# Altium PCB higgs.PcbDoc (part 25 of 25) (continued)
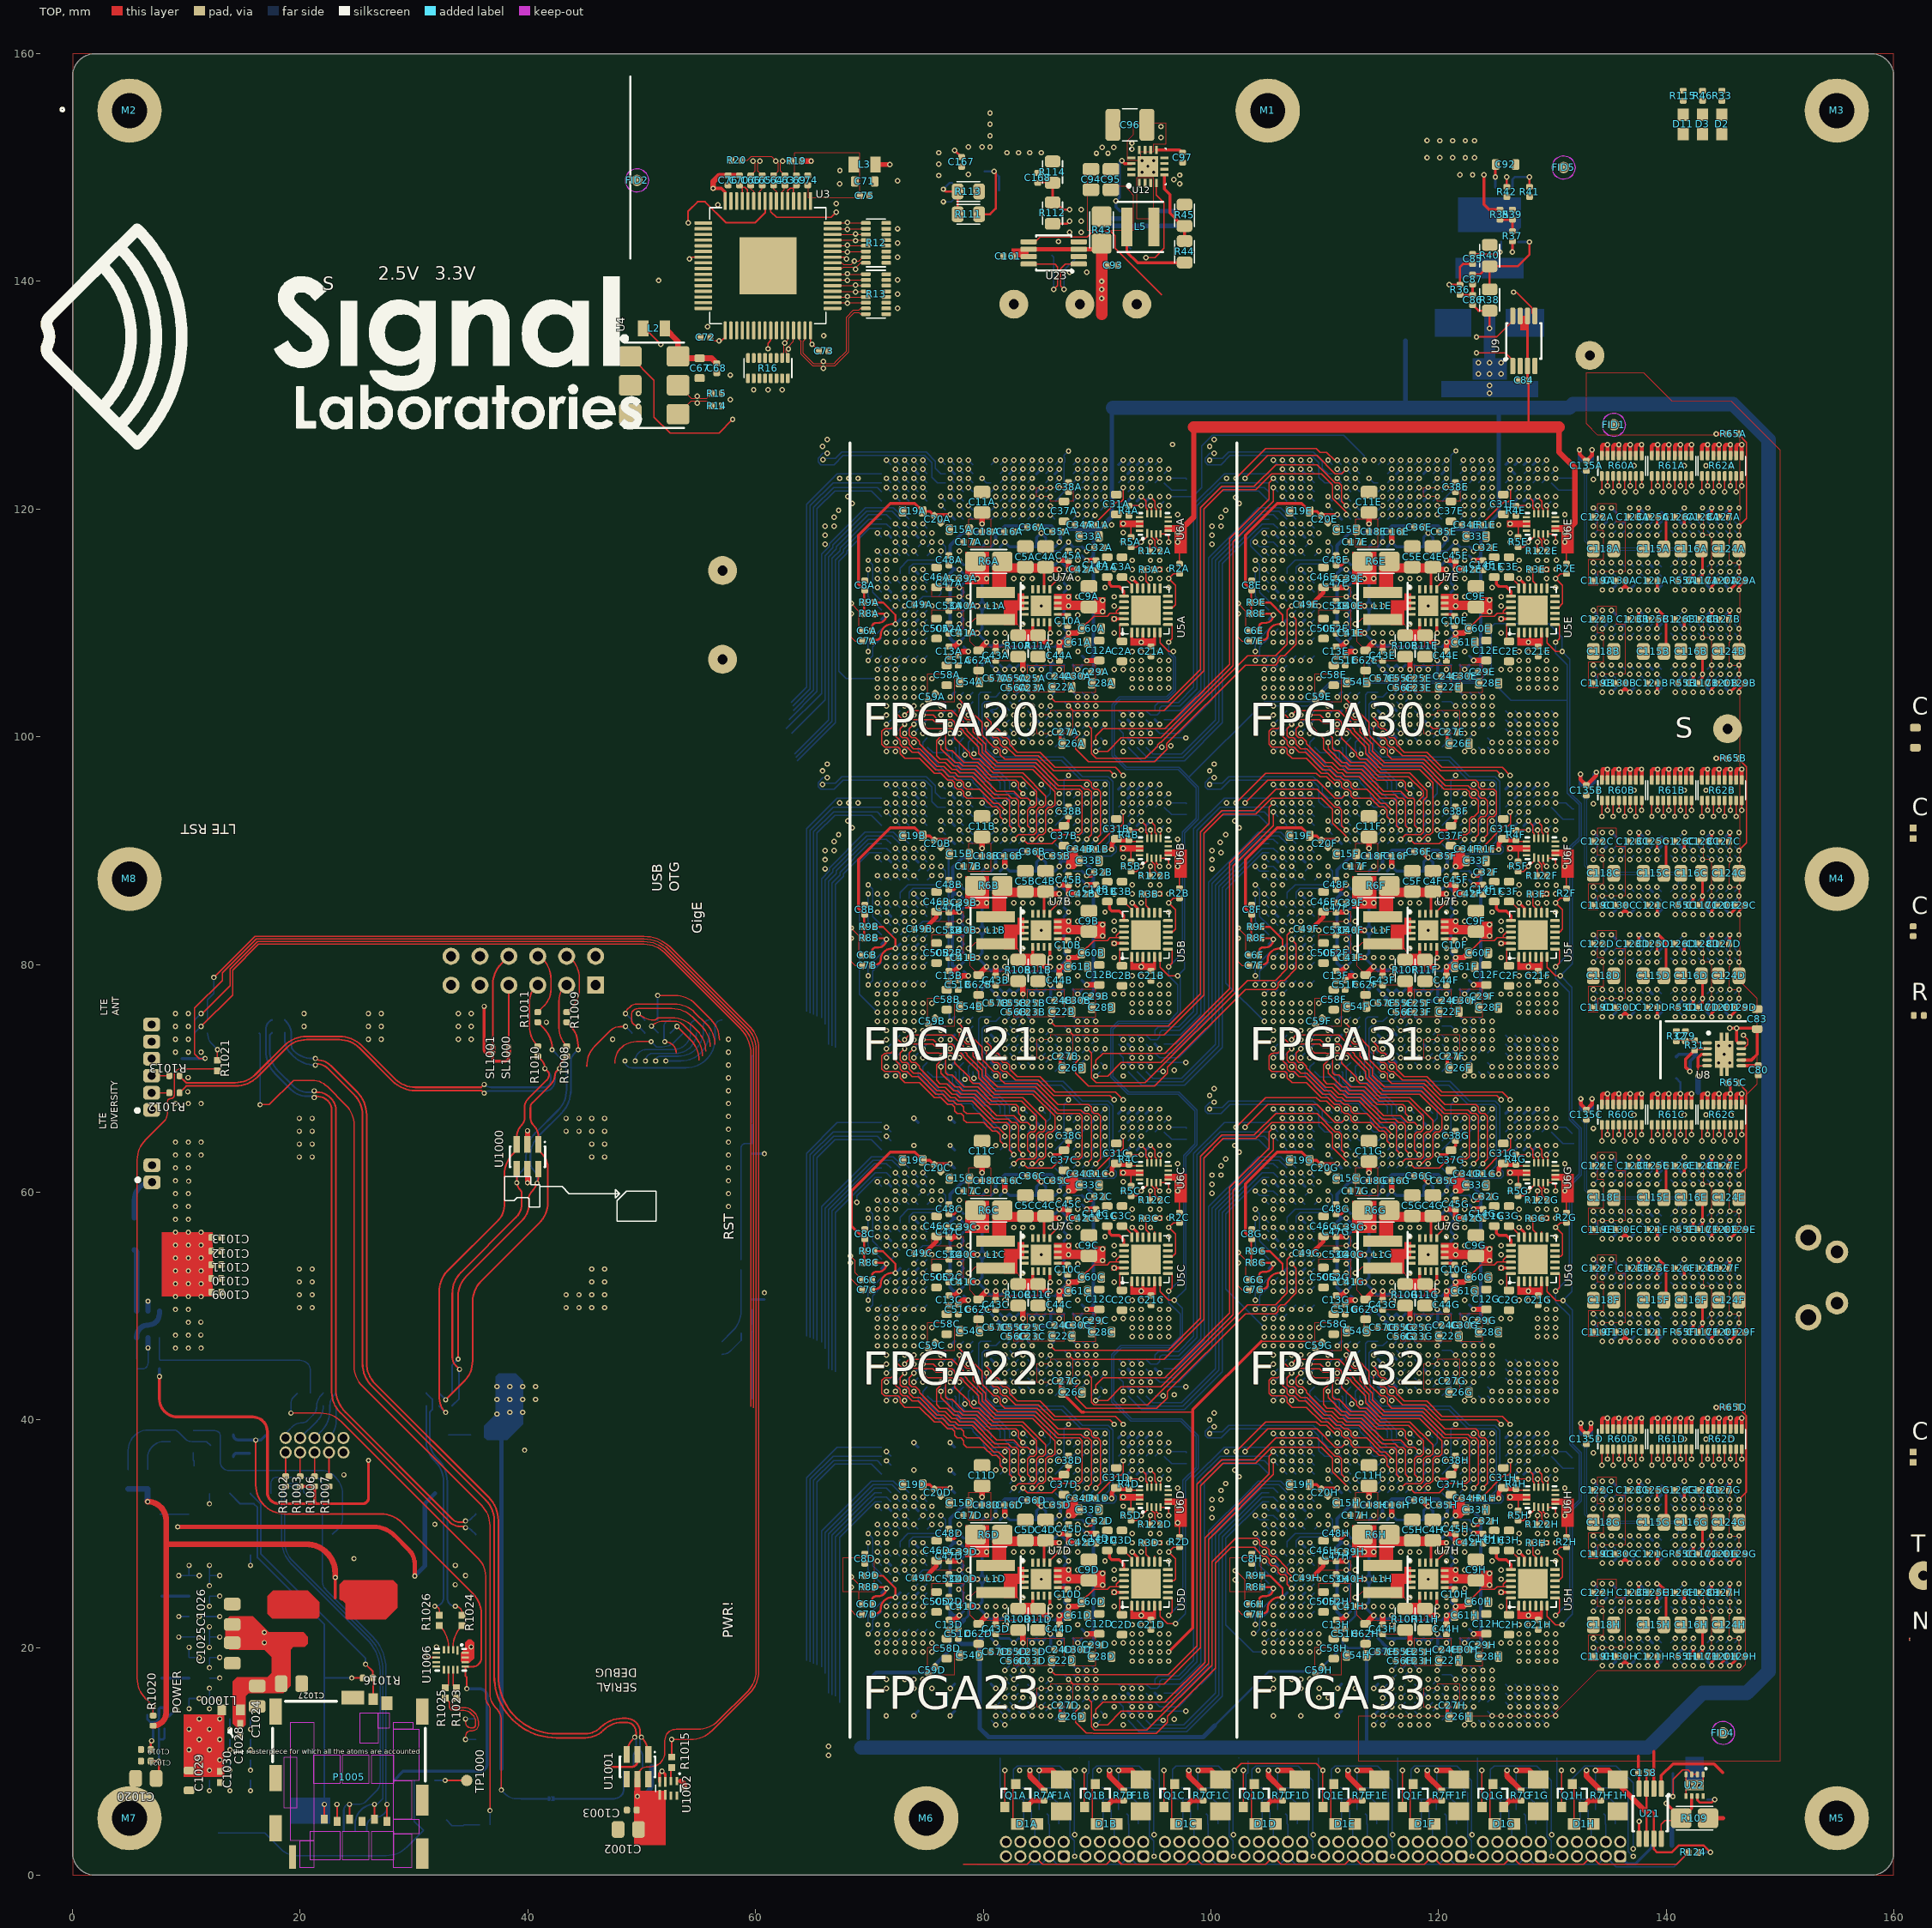
[diagram p0: TOP view]
## Keep-outs
S3(V12/V2V5):
  the board outline again, w0.584
S1(V):
  the board outline again, w0.584
S2(H):
  the board outline again, w0.584
S4(VDDR):
  lines w0.584: 0,2 ccw(c2,2) 2,0 158,0 ccw(c158,2) 160,2 160,158 ccw(c158,158) 158,160 2,160 ccw(c2,158) 0,158
S5(V):
  the board outline again, w0.584
S6(H):
  the board outline again, w0.584
P1(GND):
  the board outline again, w0.584
P3(GND):
  the board outline again, w0.584
P4(GND):
  the board outline again, w0.584
P6(GND):
  the board outline again, w0.584
P2(GND):
  the board outline again, w0.584
P5(GND):
  the board outline again, w0.584

## Other copper
TOP:
  region net V3V3_CELL: 9.743,14.119 9.743,8.619 13.329,8.619 13.329,14.119
  region net XUSB3_VBUS: 49.329,7.419 49.329,2.619 52.129,2.619 52.129,7.419
  region net V5: 7.829,56.474 7.829,50.824 12.329,50.824 12.329,56.474
  rectangle net V3V3: 127.175,135.7 127.825,136.965
  rectangle net V3V3: 82.5,142.1 84,142.9
  rectangle net NetL1E_1: 117,111.1 117.6,112.6
  rectangle net FBE: 118.225,109.15 118.475,110.05
  rectangle net NetC10E_1: 120.55,110.625 121.425,110.875
  region net SNSE_P: 125.742,110.592 125.258,110.592 125.258,110.109 125.742,110.109
  region net FBE: 129.742,114.459 129.742,114.942 129.1,114.942 129.1,114.459
  rectangle net SNSE_P: 114.8,113.1 116.025,114.9
  rectangle net GND: 119.725,108.85 119.975,109.7
  rectangle net SNSE_P: 119.225,112.95 119.475,114.725
  rectangle net V3V3: 126.92,108.375 127.18,109.165
  rectangle net V3V3: 127.92,108 128.18,109.165
  rectangle net V3V3: 128.92,108 129.18,109.165
  rectangle net V3V3: 130.8,116.1 131.9,118.005
  rectangle net V12: 120.2,111.125 121.75,112.55
  rectangle net V3V3: 126.92,108 129.18,108.625
  region net SNSE_P: 126.365,110.48 125.259,110.48 125.259,110.22 126.365,110.22
  region net V3V3: 128.1,118.995 126,118.995 126,118.405 128.1,118.405
  region net SNSE_N: 114.542,113.4 114.542,116.25 112.4,116.25 112.4,113.4
  rectangle net FBE: 116.725,108.4 119.275,109.425
  rectangle net SNSE_P: 116,114.4 119.9,115.25
  rectangle net V12: 123.75,110.75 124.75,112.25
  rectangle net NetL1E_1: 115.8,109.825 117,112
  rectangle net V12: 121.75,111.125 124.75,111.95
  rectangle net V3V3: 129.95,118.005 131.9,118.595
  rectangle net V3V3: 129.95,89.505 131.9,90.095
  rectangle net V3V3: 130.8,87.6 131.9,89.505
  rectangle net V3V3: 129.95,61.005 131.9,61.595
  rectangle net V3V3: 130.8,59.1 131.9,61.005
  rectangle net V3V3: 129.95,32.505 131.9,33.095
  rectangle net V3V3: 130.8,30.6 131.9,32.505
  region net FBH: 129.742,28.959 129.742,29.442 129.1,29.442 129.1,28.959
  region net FBG: 129.742,57.459 129.742,57.942 129.1,57.942 129.1,57.459
  region net FBF: 129.742,85.959 129.742,86.442 129.1,86.442 129.1,85.959
  region net FBA: 95.742,114.459 95.742,114.942 95.1,114.942 95.1,114.459
  region net FBB: 95.742,85.959 95.742,86.442 95.1,86.442 95.1,85.959
  region net FBC: 95.742,57.459 95.742,57.942 95.1,57.942 95.1,57.459
  region net FBD: 95.742,28.959 95.742,29.442 95.1,29.442 95.1,28.959
  rectangle net NetL1A_1: 83,111.1 83.6,112.6
  rectangle net FBA: 84.225,109.15 84.475,110.05
  rectangle net NetC10A_1: 86.55,110.625 87.425,110.875
  rectangle net SNSA_P: 80.8,113.1 82.025,114.9
  rectangle net GND: 85.725,108.85 85.975,109.7
  rectangle net SNSA_P: 85.225,112.95 85.475,114.725
  rectangle net V3V3: 92.92,108.375 93.18,109.165
  rectangle net V3V3: 93.92,108 94.18,109.165
  rectangle net V3V3: 94.92,108 95.18,109.165
  rectangle net V3V3: 96.8,116.1 97.9,118.005
  rectangle net V12: 86.2,111.125 87.75,112.55
  rectangle net V3V3: 92.92,108 95.18,108.625
  region net V3V3: 94.1,118.995 92,118.995 92,118.405 94.1,118.405
  region net SNSA_N: 80.542,113.4 80.542,116.25 78.4,116.25 78.4,113.4
  rectangle net FBA: 82.725,108.4 85.275,109.425
  rectangle net SNSA_P: 82,114.4 85.9,115.25
  rectangle net V12: 89.75,110.75 90.75,112.25
  rectangle net NetL1A_1: 81.8,109.825 83,112
  rectangle net V12: 87.75,111.125 90.75,111.95
  rectangle net V3V3: 95.95,118.005 97.9,118.595
  rectangle net NetL1B_1: 83,82.6 83.6,84.1
  rectangle net FBB: 84.225,80.65 84.475,81.55
  rectangle net NetC10B_1: 86.55,82.125 87.425,82.375
  rectangle net SNSB_P: 80.8,84.6 82.025,86.4
  rectangle net GND: 85.725,80.35 85.975,81.2
  rectangle net SNSB_P: 85.225,84.45 85.475,86.225
  rectangle net V3V3: 92.92,79.875 93.18,80.665
  rectangle net V3V3: 93.92,79.5 94.18,80.665
  rectangle net V3V3: 94.92,79.5 95.18,80.665
  rectangle net V3V3: 96.8,87.6 97.9,89.505
  rectangle net V12: 86.2,82.625 87.75,84.05
  rectangle net V3V3: 92.92,79.5 95.18,80.125
  region net V3V3: 94.1,90.495 92,90.495 92,89.905 94.1,89.905
  region net SNSB_N: 80.542,84.9 80.542,87.75 78.4,87.75 78.4,84.9
  rectangle net FBB: 82.725,79.9 85.275,80.925
  rectangle net SNSB_P: 82,85.9 85.9,86.75
  rectangle net V12: 89.75,82.25 90.75,83.75
  rectangle net NetL1B_1: 81.8,81.325 83,83.5
  rectangle net V12: 87.75,82.625 90.75,83.45
  rectangle net V3V3: 95.95,89.505 97.9,90.095
  rectangle net NetL1C_1: 83,54.1 83.6,55.6
  rectangle net FBC: 84.225,52.15 84.475,53.05
  rectangle net NetC10C_1: 86.55,53.625 87.425,53.875
  rectangle net SNSC_P: 80.8,56.1 82.025,57.9
  rectangle net GND: 85.725,51.85 85.975,52.7
  rectangle net SNSC_P: 85.225,55.95 85.475,57.725
  rectangle net V3V3: 92.92,51.375 93.18,52.165
  rectangle net V3V3: 93.92,51 94.18,52.165
  rectangle net V3V3: 94.92,51 95.18,52.165
  rectangle net V3V3: 96.8,59.1 97.9,61.005
  rectangle net V12: 86.2,54.125 87.75,55.55
  rectangle net V3V3: 92.92,51 95.18,51.625
  region net V3V3: 94.1,61.995 92,61.995 92,61.405 94.1,61.405
  region net SNSC_N: 80.542,56.4 80.542,59.25 78.4,59.25 78.4,56.4
  rectangle net FBC: 82.725,51.4 85.275,52.425
  rectangle net SNSC_P: 82,57.4 85.9,58.25
  rectangle net V12: 89.75,53.75 90.75,55.25
  rectangle net NetL1C_1: 81.8,52.825 83,55
  rectangle net V12: 87.75,54.125 90.75,54.95
  rectangle net V3V3: 95.95,61.005 97.9,61.595
  rectangle net NetL1D_1: 83,25.6 83.6,27.1
  rectangle net FBD: 84.225,23.65 84.475,24.55
  rectangle net NetC10D_1: 86.55,25.125 87.425,25.375
  rectangle net SNSD_P: 80.8,27.6 82.025,29.4
  rectangle net GND: 85.725,23.35 85.975,24.2
  rectangle net SNSD_P: 85.225,27.45 85.475,29.225
  rectangle net V3V3: 92.92,22.875 93.18,23.665
  rectangle net V3V3: 93.92,22.5 94.18,23.665
  rectangle net V3V3: 94.92,22.5 95.18,23.665
  rectangle net V3V3: 96.8,30.6 97.9,32.505
  rectangle net V12: 86.2,25.625 87.75,27.05
  rectangle net V3V3: 92.92,22.5 95.18,23.125
  region net V3V3: 94.1,33.495 92,33.495 92,32.905 94.1,32.905
  region net SNSD_N: 80.542,27.9 80.542,30.75 78.4,30.75 78.4,27.9
  rectangle net FBD: 82.725,22.9 85.275,23.925
  rectangle net SNSD_P: 82,28.9 85.9,29.75
  rectangle net V12: 89.75,25.25 90.75,26.75
  rectangle net NetL1D_1: 81.8,24.325 83,26.5
  rectangle net V12: 87.75,25.625 90.75,26.45
  rectangle net V3V3: 95.95,32.505 97.9,33.095
  rectangle net NetL1H_1: 117,25.6 117.6,27.1
  rectangle net FBH: 118.225,23.65 118.475,24.55
  rectangle net NetC10H_1: 120.55,25.125 121.425,25.375
  rectangle net SNSH_P: 114.8,27.6 116.025,29.4
  rectangle net GND: 119.725,23.35 119.975,24.2
  rectangle net SNSH_P: 119.225,27.45 119.475,29.225
  rectangle net V3V3: 126.92,22.875 127.18,23.665
  rectangle net V3V3: 127.92,22.5 128.18,23.665
  rectangle net V3V3: 128.92,22.5 129.18,23.665
  rectangle net V12: 120.2,25.625 121.75,27.05
  rectangle net V3V3: 126.92,22.5 129.18,23.125
  region net V3V3: 128.1,33.495 126,33.495 126,32.905 128.1,32.905
  region net SNSH_N: 114.542,27.9 114.542,30.75 112.4,30.75 112.4,27.9
  rectangle net FBH: 116.725,22.9 119.275,23.925
  rectangle net SNSH_P: 116,28.9 119.9,29.75
  rectangle net V12: 123.75,25.25 124.75,26.75
  rectangle net NetL1H_1: 115.8,24.325 117,26.5
  rectangle net V12: 121.75,25.625 124.75,26.45
  rectangle net NetL1G_1: 117,54.1 117.6,55.6
  rectangle net FBG: 118.225,52.15 118.475,53.05
  rectangle net NetC10G_1: 120.55,53.625 121.425,53.875
  rectangle net SNSG_P: 114.8,56.1 116.025,57.9
  rectangle net GND: 119.725,51.85 119.975,52.7
  rectangle net SNSG_P: 119.225,55.95 119.475,57.725
  rectangle net V3V3: 126.92,51.375 127.18,52.165
  rectangle net V3V3: 127.92,51 128.18,52.165
  rectangle net V3V3: 128.92,51 129.18,52.165
  rectangle net V12: 120.2,54.125 121.75,55.55
  rectangle net V3V3: 126.92,51 129.18,51.625
  region net V3V3: 128.1,61.995 126,61.995 126,61.405 128.1,61.405
  region net SNSG_N: 114.542,56.4 114.542,59.25 112.4,59.25 112.4,56.4
  rectangle net FBG: 116.725,51.4 119.275,52.425
  rectangle net SNSG_P: 116,57.4 119.9,58.25
  rectangle net V12: 123.75,53.75 124.75,55.25
  rectangle net NetL1G_1: 115.8,52.825 117,55
  rectangle net V12: 121.75,54.125 124.75,54.95
  rectangle net NetL1F_1: 117,82.6 117.6,84.1
  rectangle net FBF: 118.225,80.65 118.475,81.55
  rectangle net NetC10F_1: 120.55,82.125 121.425,82.375
  rectangle net SNSF_P: 114.8,84.6 116.025,86.4
  rectangle net GND: 119.725,80.35 119.975,81.2
  rectangle net SNSF_P: 119.225,84.45 119.475,86.225
  rectangle net V3V3: 126.92,79.875 127.18,80.665
  rectangle net V3V3: 127.92,79.5 128.18,80.665
  rectangle net V3V3: 128.92,79.5 129.18,80.665
  rectangle net V12: 120.2,82.625 121.75,84.05
  rectangle net V3V3: 126.92,79.5 129.18,80.125
  region net V3V3: 128.1,90.495 126,90.495 126,89.905 128.1,89.905
  region net SNSF_N: 114.542,84.9 114.542,87.75 112.4,87.75 112.4,84.9
  rectangle net FBF: 116.725,79.9 119.275,80.925
  rectangle net SNSF_P: 116,85.9 119.9,86.75
  rectangle net V12: 123.75,82.25 124.75,83.75
  rectangle net NetL1F_1: 115.8,81.325 117,83.5
  rectangle net V12: 121.75,82.625 124.75,83.45
  region net SNSF_P: 126.365,81.98 125.259,81.98 125.259,81.72 126.365,81.72
  region net SNSF_P: 125.742,82.092 125.258,82.092 125.258,81.609 125.742,81.609
  region net SNSG_P: 126.365,53.48 125.259,53.48 125.259,53.22 126.365,53.22
  region net SNSG_P: 125.742,53.592 125.258,53.592 125.258,53.109 125.742,53.109
  region net SNSH_P: 126.365,24.98 125.259,24.98 125.259,24.72 126.365,24.72
  region net SNSH_P: 125.742,25.092 125.258,25.092 125.258,24.609 125.742,24.609
  region net SNSD_P: 92.365,24.98 91.259,24.98 91.259,24.72 92.365,24.72
  region net SNSD_P: 91.742,25.092 91.258,25.092 91.258,24.609 91.742,24.609
  region net SNSC_P: 92.365,53.48 91.259,53.48 91.259,53.22 92.365,53.22
  region net SNSC_P: 91.742,53.592 91.258,53.592 91.258,53.109 91.742,53.109
  region net SNSB_P: 92.365,81.98 91.259,81.98 91.259,81.72 92.365,81.72
  region net SNSB_P: 91.742,82.092 91.258,82.092 91.258,81.609 91.742,81.609
  region net SNSA_P: 92.365,110.48 91.259,110.48 91.259,110.22 92.365,110.22
  region net SNSA_P: 91.742,110.592 91.258,110.592 91.258,110.109 91.742,110.109
  region: 17.617,25.007 20.665,25.007 21.681,23.991 21.681,22.721 21.503,22.543 17.541,22.543 17.109,22.975 17.109,24.499
  region net V3V3: 13.807,22.721 15.839,22.721 17.236,21.324 20.284,21.324 20.665,20.943 20.665,20.308 20.411,20.054 19.395,20.054 19.141,19.8 19.141,16.625 18.506,15.99 15.458,15.99 15.204,15.736 15.204,13.196 14.95,12.942 14.442,12.942 14.061,13.323 14.061,17.006 14.442,17.387 17.109,17.387 17.49,17.768 17.49,19.165 16.855,19.8 13.807,19.8 13.426,20.181 13.426,22.34
  region net V3V3: 35.27,19.038 34.889,18.657 34.254,18.657 34.127,18.784 34.127,19.546 34.508,19.927 34.508,20.435 34.762,20.689 35.016,20.689 35.27,20.435
  region: 28.539,25.515 28.539,23.483 27.523,22.467 24.094,22.467 23.967,22.594 23.967,23.864 23.713,24.118 23.586,24.118 23.459,24.245 23.459,25.515 23.84,25.896 28.158,25.896
BOT:
  region net SIMVCC: 19.129,6.819 19.129,4.519 22.629,4.519 22.629,6.819
  region net V5: 7.829,56.474 7.829,50.824 12.329,50.824 12.329,56.474
  region net GND: 128.75,131.25 120.25,131.25 120.25,129.825 128.75,129.825
  region net V1V35: 126,133.25 123,133.25 123,131.365 126,131.365
  region net NetC86_1: 122.875,137.565 119.7,137.565 119.7,135.129 122.875,135.129
  rectangle net NetC86_1: 125.9,135.129 129.3,137.565
  region net NetC86_1: 125,137.065 124,137.065 124,135.129 125,135.129
  region net V1V35: 125,134.165 124,134.165 124,131.365 125,131.365
  region net NetC85_1: 127.5,142.065 121.5,142.065 121.5,140.265 127.5,140.265
  region net GND: 143.3,7.5 143.3,10.4 141.7,10.4 141.7,7.5
  region net VCC3P3_SYS: 37.175,43.803 37.429,44.057 38.953,44.057 39.588,43.422 39.588,39.612 38.191,38.215 36.413,38.215 36.159,38.469 36.159,39.485 37.175,40.501
P1(GND) (Plane1) (plane layer: these items are gaps in the copper):
  region: 19.884,58.514 19.884,59.784 14.891,59.784 14.891,58.514
P1(GND) (plane layer: these items are gaps in the copper):
  region: 18.72,38.393 18.72,37.123 23.713,37.123 23.713,38.393
  lines w0.508: 0,82.919 59.329,82.919 61.559,82.919 cw(c61.559,81.649) 62.829,81.649 62.829,3.419 62.829,0 ; 19.829,48.819 19.829,62.919 19.829,73.119 45.429,73.119 47.929,75.619 47.929,82.919 ; 19.829,49.419 19.829,29.325 cw(c18.559,29.325) 18.559,28.055 15.331,28.055 ccw(c15.331,27.039) 14.315,27.039 14.315,19.419 ccw(c14.823,19.419) 14.823,18.911 16.347,18.911 ccw(c16.347,19.673) 17.109,19.673 17.109,23.991 cw(c18.379,23.991) 18.379,25.261 21.681,25.261 ; 21.099,25.261 25.959,25.261 cw(c25.959,23.991) 27.229,23.991 27.229,18.911 ; 24.729,38.723 24.729,46.343 cw(c25.999,46.343) 25.999,47.613 32.603,47.613 ; 24.729,39.485 24.729,33.897 ccw(c25.745,33.897) 25.745,32.881 27.523,32.881 ccw(c27.523,33.643) 28.285,33.643 28.285,36.691 cw(c29.301,36.691) 29.301,37.707 37.937,37.707 ccw(c37.937,39.993) 40.223,39.993 40.223,44.819 40.223,46.343 ccw(c38.953,46.343) 38.953,47.613 32.095,47.613 ; 27.229,20.475 27.229,16.319 30.929,12.619 32.929,10.619 62.829,10.619 ; 6.187,8.751 ccw(c6.949,8.751) 6.949,7.989 7.457,7.989 ccw(c7.457,8.751) 8.219,8.751 8.219,28.309 cw(c8.981,28.309) 8.981,29.071 9.743,29.071 ccw(c9.743,29.833) 10.505,29.833 10.505,32.627 9.743,32.627 ccw(c9.743,29.561) 7.575,31.729 7.085,31.239 ccw(c9.253,29.071) 6.187,29.071 6.187,8.751

## Silkscreen, mask and mechanical layers (free items; w line width, h text height)
Top Overlay:
  drawing of 232 lines, arcs and shapes, not listed
  text "INIT#" at -33.4,198.7 h1
  text "DONE" at -33.7,195.1 h1
  text "MCU / RST" at -36,191.9 h2 r270
  text "FPGA / PROG" at -36,181.7 h2 r270
  text "Copper Suicide / Rev. 3 / August 2017" at -19.75,176.5 h1.4
  text "JUMPER TO USE INT. I/O POWER" at 10.676,170.8 h0.8
  text "MCU UARTS" at -38.3,168.1 h2 r270
  text "MCU LED 2" at -36.625,153.975 h0.8
  text "MCU LED 1" at -36.625,148.975 h0.8
  text "MCU LED 2" at -36.625,143.975 h0.8
  text "2.5V" at 26.83,139.7 h2
  text "3.3V" at 31.83,139.7 h2
  text "CFG LED" at -36.625,138.975 h0.8
  text "S" at 22,138.8 h2
  text "125 MHz Oscillator" at -17.9,134.1 h1
  text "[00] LED" at -36.64,131.965 h0.8
  text "[01] LED" at -36.64,124.98 h0.8
  text "[02] LED" at -36.64,117.995 h0.8
  text "[03] LED" at -36.64,111.01 h0.8
  text "[10] LED" at -36.64,104.025 h0.8
  text "S" at 140.8,99.3 h3.05
  text "FPGA20" at 69.4,99.1 h5
  text "FPGA30" at 103.4,99.1 h5
  text "[11] LED" at -36.64,97.04 h0.8
  text "LTE RST" at 14.4,92.6 h1.52 r180
  text "[12] LED" at -36.64,90.055 h0.8
  text "USB / OTG" at 53.6,86.4 h1.52 r90
  text "[13] LED" at -36.64,83.07 h0.8
  text "GigE" at 55.6,82.7 h1.52 r90
  text "[20] LED" at -36.64,76.085 h0.8
  text "LTE / ANT" at 4.3,75.5 h1.02 r90
  text "FPGA21" at 69.4,70.6 h5
  text "FPGA31" at 103.4,70.6 h5
  text "[21] LED" at -36.64,69.1 h0.8
  text "LTE / DIVERSITY" at 4.2,65.5 h1.02 r90
  text "[22] LED" at -36.64,62.115 h0.8
  text "RST" at 58.4,55.8 h1.52 r90
  text "[23] LED" at -36.64,55.13 h0.8
  text "[30] LED" at -36.64,48.145 h0.8
  text "FPGA22" at 69.4,42.1 h5
  text "FPGA32" at 103.4,42.1 h5
  text "[31] LED" at -36.64,41.16 h0.8
  text "[32] LED" at -36.64,34.175 h0.8
  text "[33] LED" at -36.64,27.19 h0.8
  text "PWR!" at 58.3,20.8 h1.52 r90
  text "SERIAL / DEBUG" at 49.6,18.4 h1.27 r180
  text "POWER" at 9.8,14.2 h1.27 r90
  text "FPGA23" at 69.4,13.6 h5
  text "FPGA33" at 103.4,13.6 h5
  text "тhe мasterpiece for which all the atoms are accounted" at 14,10.506 h0.75
  text "2.5V" at -39.69,7.3 h0.8
  text "3.3V" at -39.69,5.6 h0.8
  text "VTTR" at -39.69,3.9 h0.8
  text "VTTL" at -39.69,2.2 h0.8
Bottom Overlay:
  drawing of 267 lines, arcs and shapes, not listed
  text "MCU RST" at -32.4,186.7 h2 r270
  text "48V" at 136.25,185.89 h2
  text "S" at 53.1,178.8 h3.05
  text "Copper Suicide / Rev. 2 / June 2017" at -9.25,176.5 h1.4
  text "PROG FPGA" at -32.4,174.6 h2 r270
  text "BLK(-)" at -32.1,171.1 h1.2 r270
  text "11" at -36.54,170.7 h2 r270
  text "12" at -34,170.7 h2 r270
  text "JUMPER TO USE INT. I/O POWER" at 7.3,170.6 h0.8
  text "S" at 53,170.5 h3.05
  text "JUMPER TO USE INT. I/O POWER" at 103.7,170.5 h0.8
  text "MCU UARTS" at -32.222,157.3 h2 r270
  text "1.35V" at 9.3,157.2 h2
  text "2.5V" at 29.5,157.2 h2
  text "J2 / (THIS SIDE)" at -5.5,156.1 h0.8
  text "J1 / (THIS SIDE)" at 0.5,156.1 h0.8
  text "1" at -38.55,154.75 h2 r270
  text "J4 / (OTHER SIDE)" at -5.5,153.1 h0.8
  text "J3 / (OTHER SIDE)" at 0.5,153.1 h0.8
  text "OPT" at -32.9,150.8 h2
  text "[00]" at -9.3,150.8 h1
  text "[10]" at -6.3,150.8 h1
  text "[20]" at -3.3,150.8 h1
  text "[30]" at -0.3,150.8 h1
  text "[01]" at -9.3,147.8 h1
  text "[11]" at -6.3,147.8 h1
  text "[21]" at -3.3,147.8 h1
  text "[31]" at -0.3,147.8 h1
  text "12V" at 132,146.7 h2
  text "[02]" at -9.3,144.8 h1
  text "[12]" at -6.3,144.8 h1
  text "[22]" at -3.3,144.8 h1
  text "[32]" at -0.3,144.8 h1
  text "[03]" at -9.3,141.8 h1
  text "[13]" at -6.3,141.8 h1
  text "[23]" at -3.3,141.8 h1
  text "[33]" at -0.3,141.8 h1
  text "MCU" at -30.3,140.7 h2
  text "2" at -35.9,140.66 h1.2 r270
  text "2.5V" at 31.17,139.7 h2
  text "3.3V" at 36.17,139.7 h2
  text "S" at 25.37,139.2 h2
  text "CFG(A)" at -31.8,133.8 h2 r270
  text "2" at -35.9,133.675 h1.2 r270
  text "CFG" at 86,131.7 h5 r270
  text "MCU" at 44.75,129.8 h5 r270
  text "1.35V" at 126.5,129.8 h2
  text "00(B)" at -31.8,127.775 h2 r270
  text "2" at -35.9,126.69 h1.2 r270
  text "01(C)" at -31.8,120.79 h2 r270
  text "2" at -35.9,119.705 h1.2 r270
  text "02(D)" at -31.8,113.805 h2 r270
  text "2" at -35.9,112.72 h1.2 r270
  text "03(E)" at -31.8,106.82 h2 r270
  text "FPGA20" at 66,106.05 h5 r270
  text "FPGA30" at 100,106.05 h5 r270
  text "2" at -35.9,105.735 h1.2 r270
  text "FPGA00" at -17.8,105.25 h5 r270
  text "FPGA10" at 32,105.25 h5 r270
  text "10(F)" at -31.8,99.835 h2 r270
  text "S" at 30,99.3 h3.05
  text "S" at 143,99.3 h3.05
  text "2" at -35.9,98.75 h1.2 r270
  text "11(G)" at -31.8,92.85 h2 r270
  text "2" at -35.9,91.765 h1.2 r270
  text "12(H)" at -31.8,85.865 h2 r270
  text "2" at -35.9,84.78 h1.2 r270
  text "13(I)" at -31.8,78.88 h2 r270
  text "2" at -35.9,77.795 h1.2 r270
  text "FPGA11" at 32,77.55 h5 r270
  text "FPGA21" at 66,77.55 h5 r270
  text "FPGA31" at 100,77.55 h5 r270
  text "FPGA01" at -17.8,76.75 h5 r270
  text "20(J)" at -31.8,71.895 h2 r270
  text "2" at -35.92,70.89 h1.2 r270
  text "21(K)" at -31.8,64.91 h2 r270
  text "2" at -35.9,63.825 h1.2 r270
  text "22(L)" at -31.8,57.925 h2 r270
  text "2" at -35.9,56.84 h1.2 r270
  text "23(M)" at -31.8,50.94 h2 r270
  text "2" at -35.9,49.855 h1.2 r270
  text "FPGA12" at 32,49.05 h5 r270
  text "FPGA22" at 66,49.05 h5 r270
  text "FPGA32" at 100,49.05 h5 r270
  text "FPGA02" at -17.8,48.25 h5 r270
  text "30(N)" at -31.8,43.955 h2 r270
  text "2" at -35.9,42.87 h1.2 r270
  text "31(O)" at -31.8,36.97 h2 r270
  text "2" at -35.9,35.885 h1.2 r270
  text "FAN" at 2,35.2 h1.52 r90
  text "32(P)" at -31.8,29.985 h2 r270
  text "2" at -35.9,28.9 h1.2 r270
  text "DISPLAY" at 2,27.6 h1.52 r90
  text "33(Q)" at -31.8,23 h2 r270
  text "2" at -35.9,21.915 h1.2 r270
  text "FPGA13" at 32,20.55 h5 r270
  text "FPGA23" at 66,20.55 h5 r270
  text "FPGA33" at 100,20.55 h5 r270
  text "FPGA03" at -17.8,19.75 h5 r270
Bottom Solder:
  rectangle: 118.7,111.1 119.5,111.9
  rectangle: 118.7,82.6 119.5,83.4
  rectangle: 118.7,54.1 119.5,54.9
  rectangle: 118.7,25.6 119.5,26.4
  rectangle: 84.7,25.6 85.5,26.4
  rectangle: 84.7,54.1 85.5,54.9
  rectangle: 84.7,82.6 85.5,83.4
  rectangle: 84.7,111.1 85.5,111.9
  rectangle: 93.6,149.2 95.4,151
Mechanical 1:
  lines w0.2: 17.5,180 22.5,180 ; 20,177.5 20,182.5 ; 97.5,180 102.5,180 ; 100,177.5 100,182.5
Mechanical 2:
  the board outline again, w0.762
Mechanical 11:
  lines w0.2: 57.5,95.5 62.5,95.5 ; 60,93 60,98
Mechanical 16:
  lines w0.127: -52.7,46.355 -47.62,46.355 ; -52.7,100.33 -47.62,100.33 ; -52.7,154.305 -47.62,154.305 ; 17.15,-7.62 17.15,-2.54 ; 17.15,203.2 17.15,208.28 ; 36.2,-2.54 36.2,27.94 71.76,27.94 ; 36.2,18.796 71.76,18.796 ; 37.47,15.494 47.63,15.494 ; 42.931,8.382 43.693,8.382 ; 42.931,9.017 43.693,9.017 ; 42.931,10.922 43.693,10.922 ; 42.931,11.557 43.693,11.557 ; 42.931,13.462 43.693,13.462 ; 42.931,14.097 43.693,14.097 ; 87,-7.62 87,-2.54 ; 87,203.2 87,208.28 ; 107.32,5.08 221.62,5.08 ; 107.32,12.7 221.62,12.7 ; 107.32,20.32 145.42,20.32 ; 107.32,193.04 221.62,193.04 ; 107.32,198.12 221.62,198.12 ; 107.32,203.2 107.32,187.96 221.62,187.96 ; 122.56,187.96 122.56,203.2 ; 135.26,187.96 135.26,203.2 ; 145.42,-2.54 145.42,12.7 145.42,27.94 ; 156.85,-7.62 156.85,-2.54 ; 156.85,203.2 156.85,208.28 ; 198.76,-2.54 198.76,12.7 ; 205.745,187.96 205.745,203.2 ; 221.62,46.355 226.7,46.355 ; 221.62,100.33 226.7,100.33 ; 221.62,154.305 226.7,154.305 ; 71.76,27.94 107.32,27.94 ; 71.76,27.94 71.76,-2.54 107.32,-2.54 ; 107.32,-2.54 107.32,27.94 ; 107.32,-2.54 221.62,-2.54 ; 107.32,27.94 145.42,27.94 ; 145.42,27.94 221.62,27.94 221.62,-2.54 ; 221.62,-2.54 221.62,203.2 -47.62,203.2 -47.62,-2.54 221.62,-2.54 ; -52.7,-7.62 -52.7,208.28 226.7,208.28 226.7,-7.62 -52.7,-7.62
  lines w0.178: 43.312,8.636 43.312,9.398 ; 43.312,11.176 43.312,11.938 ; 43.312,13.716 43.312,14.478
  text "1" at -18.376,204.851 h1.78
  text "2" at 51.491,204.851 h1.78
  text "3" at 121.214,204.851 h1.78
  text "4" at 191.089,204.851 h1.78
  text "REV" at 108.59,199.39 h1.7
  text "DATE" at 123.83,199.39 h1.7
  text "DESC" at 136.53,199.39 h1.7
  text "ENG" at 207.65,199.39 h1.7
  text "1" at 108.59,194.31 h1.7
  text "*" at 123.83,194.31 h1.7
  text "INITIAL RELEASE" at 136.53,194.31 h1.7
  text "*" at 207.65,194.31 h1.7
  text "A" at -50.795,178.994 h1.78
  text "A" at 223.525,178.994 h1.78
  text "B" at -50.795,125.019 h1.78
  text "B" at 223.525,125.019 h1.78
  text "C" at -50.795,71.044 h1.78
  text "C" at 223.525,71.044 h1.78
  text "ENGINEER:" at 108.59,25.4 h1.14
  text "TITLE:" at 146.69,25.4 h1.14
  text "ALL DIMENSIONS ARE IN MM (INCHES)" at 38.105,23.495 h1.2
  text "Signal Laboratories, Inc." at 74.3,23.495 h1.78
  text "J. Brinton" at 108.59,22.225 h1.78
  text "3479 Edison Way" at 74.3,20.955 h1.78
  text "TOLERANCES:" at 49.154,19.304 h1.2
  text "Menlo Park, CA 94025" at 74.3,18.415 h1.78
  text "Copper Suicide" at 147.325,18.415 h2.2
  text "PCB DESIGNER:" at 108.59,17.907 h1.14
  text "D" at -50.795,17.196 h1.78
  text "D" at 223.525,17.196 h1.78
  text "DECIMALS" at 38.105,16.51 h1.2
  text "+1 (877) 778-8435" at 74.3,15.875 h1.78
  text "J. Brinton" at 108.59,14.605 h1.78
  text ".X     0.1" at 38.105,13.335 h1.2
  text ".XX    0.05" at 38.105,10.795 h1.2
  text "DATE:" at 108.59,10.16 h1.14
  text "PART NO.:" at 146.69,10.16 h1.14
  text "REV:" at 200.03,10.16 h1.14
  text ".XXX   0.005" at 38.105,8.255 h1.2
  text "1/1/2017" at 108.59,6.985 h1.7
  text "-" at 146.69,6.985 h1.78
  text "1" at 200.03,6.985 h1.78
  text "*UNLESS OTHERWISE NOTED" at 37.47,2.54 h1.2
  text "FILE NAME:" at 108.59,2.54 h1.14
  text "DWG NO:" at 146.69,2.54 h1.14
  text ".PCB_FILE_NAME_NO_PATH" at 109.86,-0.508 h1.78
  text "-" at 146.69,-0.635 h1.78
  text "1" at -18.376,-5.969 h1.78
  text "2" at 51.491,-5.969 h1.78
  text "3" at 121.214,-5.969 h1.78
  text "4" at 191.089,-5.969 h1.78
Drill Drawing:
  text ".Legend" at 174.98,157.76 h1.2
  text "COPPER SUICIDE - REVISION 2 (6/16/2017)" at 165.74,152.4 h1.2
  text "1. FINISH: HARD GOLD" at 168.28,149.86 h1.2
  text "2. SOLDERMASK: GREEN" at 168.28,147.32 h1.2
  text "3. SILKSCREEN: WHITE" at 168.28,144.78 h1.2
  text "3. ORDER:" at 168.28,142.24 h1.2
  text "copper_suicide.GTO / copper_suicide.GTS / copper_suicide.GTL / copper_suicide.GP1 / copper_suicide.G1 / copper_suicide.GP2 / copper_suicide.G2 / copper_suicide.GP3 / copper_suicide.G3 / copper_suicide.G4 / copper_suicide.GP4 / copper_suicide.G5 / copper_suicide.GP5 / copper_suicide.G6 / copper_suicide.GP6 / copper_suicide.GBL / copper_suicide.GBS / copper_suicide.GBO" at 170.82,99.06 h1.2
  text "4. CONTROLLED DIELECTRIC (per TTM stackup)" at 168.28,96.52 h1.2
  text "5. ADD HATCHING AS NECESSARY TO BALANCE BOARD" at 168.28,93.98 h1.2
  text "6. VIAS FILLED (NON-CONDUCTIVE) AND PLATED" at 168.28,91.44 h1.2
  text "7. RECOMMEND \"HYOKI CLEANING PROCESS\" OR" at 168.28,88.9 h1.2
  text "ALTERNATIVE SURFACE CLEANING PROCESS" at 170.82,86.36 h1.2
Mechanical 29:
  lines w0.559: 140,200 -35,200 -40,195 -40,0 160,0 160,162
Mechanical 32:
  lines w0.127: -52.7,46.355 -47.62,46.355 ; -52.7,100.33 -47.62,100.33 ; -52.7,154.305 -47.62,154.305 ; -47.62,5.08 66.68,5.08 ; -47.62,12.7 66.68,12.7 ; -47.62,187.96 66.68,187.96 66.68,203.2 ; -47.62,193.04 66.68,193.04 ; -47.62,198.12 66.68,198.12 ; -31.745,187.96 -31.745,203.2 ; -24.76,-2.54 -24.76,12.7 ; 17.15,-7.62 17.15,-2.54 ; 17.15,203.2 17.15,208.28 ; 28.58,-2.54 28.58,12.7 28.58,27.94 ; 28.58,20.32 66.68,20.32 ; 38.74,187.96 38.74,203.2 ; 51.44,187.96 51.44,203.2 ; 87,-7.62 87,-2.54 ; 87,203.2 87,208.28 ; 102.24,18.796 137.8,18.796 ; 126.37,15.494 136.53,15.494 ; 130.307,8.382 131.069,8.382 ; 130.307,9.017 131.069,9.017 ; 130.307,10.922 131.069,10.922 ; 130.307,11.557 131.069,11.557 ; 130.307,13.462 131.069,13.462 ; 130.307,14.097 131.069,14.097 ; 137.8,-2.54 137.8,27.94 102.24,27.94 ; 156.85,-7.62 156.85,-2.54 ; 156.85,203.2 156.85,208.28 ; 221.62,46.355 226.7,46.355 ; 221.62,100.33 226.7,100.33 ; 221.62,154.305 226.7,154.305 ; -47.62,-2.54 -47.62,203.2 221.62,203.2 221.62,-2.54 -47.62,-2.54 ; -47.62,-2.54 -47.62,27.94 28.58,27.94 ; -47.62,-2.54 66.68,-2.54 ; 28.58,27.94 66.68,27.94 ; 66.68,-2.54 66.68,27.94 ; 66.68,-2.54 102.24,-2.54 102.24,27.94 ; 66.68,27.94 102.24,27.94 ; -52.7,-7.62 -52.7,208.28 226.7,208.28 226.7,-7.62 -52.7,-7.62
  lines w0.178: 130.688,8.636 130.688,9.398 ; 130.688,11.176 130.688,11.938 ; 130.688,13.716 130.688,14.478
  text "4" at -17.089,204.851 h1.78
  text "3" at 52.786,204.851 h1.78
  text "2" at 122.509,204.851 h1.78
  text "1" at 192.376,204.851 h1.78
  text "ENG" at -33.65,199.39 h1.7
  text "DESC" at 37.47,199.39 h1.7
  text "DATE" at 50.17,199.39 h1.7
  text "REV" at 65.41,199.39 h1.7
  text "*" at -33.65,194.31 h1.7
  text "INITIAL RELEASE" at 37.47,194.31 h1.7
  text "*" at 50.17,194.31 h1.7
  text "1" at 65.41,194.31 h1.7
  text "A" at -49.525,178.994 h1.78
  text "A" at 224.795,178.994 h1.78
  text "B" at -49.525,125.019 h1.78
  text "B" at 224.795,125.019 h1.78
  text "C" at -49.525,71.044 h1.78
  text "C" at 224.795,71.044 h1.78
  text "TITLE:" at 27.31,25.4 h1.14
  text "ENGINEER:" at 65.41,25.4 h1.14
  text "Signal Laboratories, Inc." at 99.7,23.495 h1.78
  text "ALL DIMENSIONS ARE IN MM (INCHES)" at 135.895,23.495 h1.2
  text "J. Brinton" at 65.41,22.225 h1.78
  text "3479 Edison Way" at 99.7,20.955 h1.78
  text "TOLERANCES:" at 124.846,19.304 h1.2
  text "Copper Suicide" at 26.675,18.415 h2.2
  text "Menlo Park, CA 94025" at 99.7,18.415 h1.78
  text "PCB DESIGNER:" at 65.41,17.907 h1.14
  text "D" at -49.525,17.196 h1.78
  text "D" at 224.795,17.196 h1.78
  text "DECIMALS" at 135.895,16.51 h1.2
  text "(858) 414 1421" at 99.7,15.875 h1.78
  text "J. Brinton" at 65.41,14.605 h1.78
  text ".X     0.1" at 135.895,13.335 h1.2
  text ".XX    0.05" at 135.895,10.795 h1.2
  text "REV:" at -26.03,10.16 h1.14
  text "PART NO.:" at 27.31,10.16 h1.14
  text "DATE:" at 65.41,10.16 h1.14
  text ".XXX   0.005" at 135.895,8.255 h1.2
  text "1" at -26.03,6.985 h1.78
  text "-" at 27.31,6.985 h1.78
  text "1/1/2017" at 65.41,6.985 h1.7
  text "SCALE:" at -26.03,2.54 h1.14
  text "DWG NO:" at 27.31,2.54 h1.14
  text "FILE NAME:" at 65.41,2.54 h1.14
  text "*UNLESS OTHERWISE NOTED" at 136.53,2.54 h1.2
  text ".PCB_FILE_NAME_NO_PATH" at 64.14,-0.508 h1.78
  text "1:1" at -26.03,-0.635 h1.78
  text "-" at 27.31,-0.635 h1.78
  text "4" at -17.089,-5.969 h1.78
  text "3" at 52.786,-5.969 h1.78
  text "2" at 122.509,-5.969 h1.78
  text "1" at 192.376,-5.969 h1.78

## Text inside footprints (layer, text, board x,y; h text height)
D1A: Mechanical 10 "-" at 83.265,4.25 h0.64 r180; Mechanical 10 "+" at 84.965,4.15 h0.64 r180
D1B: Mechanical 10 "-" at 90.25,4.25 h0.64 r180; Mechanical 10 "+" at 91.95,4.15 h0.64 r180
D1C: Mechanical 10 "-" at 97.235,4.25 h0.64 r180; Mechanical 10 "+" at 98.935,4.15 h0.64 r180
D1D: Mechanical 10 "-" at 104.22,4.25 h0.64 r180; Mechanical 10 "+" at 105.92,4.15 h0.64 r180
D1E: Mechanical 10 "-" at 111.205,4.25 h0.64 r180; Mechanical 10 "+" at 112.905,4.15 h0.64 r180
D1F: Mechanical 10 "-" at 118.19,4.25 h0.64 r180; Mechanical 10 "+" at 119.89,4.15 h0.64 r180
D1G: Mechanical 10 "-" at 125.175,4.25 h0.64 r180; Mechanical 10 "+" at 126.875,4.15 h0.64 r180
D1H: Mechanical 10 "-" at 132.16,4.25 h0.64 r180; Mechanical 10 "+" at 133.86,4.15 h0.64 r180
D2: Mechanical 10 "+" at 145.25,154.9 h0.64 r270; Mechanical 10 "-" at 145.15,153.2 h0.64 r270
D3: Mechanical 10 "+" at 143.55,154.9 h0.64 r270; Mechanical 10 "-" at 143.45,153.2 h0.64 r270
D11: Mechanical 10 "+" at 141.85,154.9 h0.64 r270; Mechanical 10 "-" at 141.75,153.2 h0.64 r270
D1001: Bottom Overlay "+" at 37.132,39.196 h0.64; Bottom Overlay "-" at 35.432,39.096 h0.64
D1002: Bottom Overlay "+" at 6.229,32.619 h0.64 r270; Bottom Overlay "-" at 6.229,36.419 h0.64 r270
D1003: Bottom Overlay "+" at 4.629,32.619 h0.64 r270; Bottom Overlay "-" at 4.529,36.419 h0.64 r270
P1001: Bottom Overlay "12" at 31.629,80.419 h1.27; Bottom Overlay "1" at 48.029,77.719 h1.27; Bottom Overlay "2" at 48.129,80.219 h1.27
U1003: Mechanical 21 "TP295" at 43.919,50.769 h0.2; Mechanical 21 "TP296" at 45.049,50.769 h0.2; Mechanical 21 "TP297" at 46.179,50.769 h0.2; Mechanical 21 "TP298" at 46.179,51.899 h0.2; Mechanical 21 "TP299" at 46.179,53.029 h0.2; Mechanical 21 "TP292" at 20.479,50.769 h0.2; Mechanical 21 "TP293" at 21.609,50.769 h0.2; Mechanical 21 "TP294" at 22.739,50.769 h0.2; Mechanical 21 "TP291" at 20.479,51.899 h0.2; Mechanical 21 "TP290" at 20.479,53.029 h0.2; Mechanical 21 "TP289" at 20.479,64.009 h0.2; Mechanical 21 "TP288" at 20.479,65.139 h0.2; Mechanical 21 "TP287" at 20.479,66.269 h0.2; Mechanical 21 "TP286" at 21.609,66.269 h0.2; Mechanical 21 "TP285" at 22.739,66.269 h0.2; Mechanical 21 "TP300" at 46.179,64.009 h0.2; Mechanical 21 "TP301" at 46.179,65.139 h0.2; Mechanical 21 "TP284" at 43.919,66.269 h0.2; Mechanical 21 "TP283" at 45.049,66.269 h0.2; Mechanical 21 "TP282" at 46.179,66.269 h0.2; Mechanical 21 "PA36" at 17.509,75.389 h0.2; Mechanical 21 "PB1" at 57.059,74.179 h0.2; Mechanical 21 "PB37" at 16.379,74.259 h0.2; Mechanical 21 "PA1" at 57.059,75.309 h0.2; Mechanical 21 "PB2" at 55.929,74.179 h0.2; Mechanical 21 "PA2" at 55.929,75.309 h0.2; Mechanical 21 "PB3" at 54.799,74.179 h0.2; Mechanical 21 "PA3" at 54.799,75.309 h0.2; Mechanical 21 "PB4" at 53.669,74.179 h0.2; Mechanical 21 "PA4" at 53.669,75.309 h0.2; Mechanical 21 "PB5" at 52.539,74.179 h0.2; Mechanical 21 "PA5" at 52.539,75.309 h0.2; Mechanical 21 "PB6" at 51.409,74.179 h0.2; Mechanical 21 "PA37" at 16.379,75.389 h0.2; Mechanical 21 "PA6" at 51.409,75.309 h0.2; Mechanical 21 "PB7" at 50.279,74.179 h0.2; Mechanical 21 "PA7" at 50.279,75.309 h0.2; Mechanical 21 "PB8" at 49.149,74.179 h0.2; Mechanical 21 "PA8" at 49.149,75.309 h0.2; Mechanical 21 "PB9" at 48.019,74.179 h0.2; Mechanical 21 "PA9" at 48.019,75.309 h0.2; Mechanical 21 "PB10" at 46.889,74.259 h0.2; Mechanical 21 "PA10" at 46.889,75.389 h0.2; Mechanical 21 "PB11" at 45.759,74.259 h0.2; Mechanical 21 "PB38" at 15.249,74.259 h0.2; Mechanical 21 "PA11" at 45.759,75.389 h0.2; Mechanical 21 "PB12" at 44.629,74.259 h0.2; Mechanical 21 "PA12" at 44.629,75.389 h0.2; Mechanical 21 "PB13" at 43.499,74.259 h0.2; Mechanical 21 "PA13" at 43.499,75.389 h0.2; Mechanical 21 "PB14" at 42.369,74.259 h0.2; Mechanical 21 "PA14" at 42.369,75.389 h0.2; Mechanical 21 "PB15" at 41.239,74.259 h0.2; Mechanical 21 "PB16" at 40.109,74.259 h0.2; Mechanical 21 "PA38" at 15.249,75.389 h0.2; Mechanical 21 "PA16" at 40.109,75.389 h0.2; Mechanical 21 "PB17" at 38.979,74.259 h0.2; Mechanical 21 "PA17" at 38.979,75.389 h0.2; Mechanical 21 "PB18" at 37.849,74.259 h0.2; Mechanical 21 "PA18" at 37.849,75.389 h0.2; Mechanical 21 "PB19" at 36.719,74.259 h0.2; Mechanical 21 "PA19" at 36.719,75.389 h0.2; Mechanical 21 "PB20" at 35.589,74.259 h0.2; Mechanical 21 "PA20" at 35.589,75.389 h0.2; Mechanical 21 "PB39" at 14.119,74.259 h0.2; Mechanical 21 "PA21" at 34.459,75.389 h0.2; Mechanical 21 "PB22" at 33.329,74.259 h0.2; Mechanical 21 "PA22" at 33.329,75.389 h0.2; Mechanical 21 "PB23" at 32.199,74.259 h0.2; Mechanical 21 "PA23" at 32.199,75.389 h0.2; Mechanical 21 "PB24" at 31.069,74.259 h0.2; Mechanical 21 "PA24" at 31.069,75.389 h0.2; Mechanical 21 "PB25" at 29.939,74.259 h0.2; Mechanical 21 "PA25" at 29.939,75.389 h0.2; Mechanical 21 "PB26" at 28.809,74.259 h0.2; Mechanical 21 "PA39" at 14.119,75.389 h0.2; Mechanical 21 "PA26" at 28.809,75.389 h0.2; Mechanical 21 "PB27" at 27.679,74.259 h0.2; Mechanical 21 "PA27" at 27.679,75.389 h0.2; Mechanical 21 "PB28" at 26.549,74.259 h0.2; Mechanical 21 "PA28" at 26.549,75.389 h0.2; Mechanical 21 "PB29" at 25.419,74.259 h0.2; Mechanical 21 "PA29" at 25.419,75.389 h0.2; Mechanical 21 "PB30" at 24.289,74.259 h0.2; Mechanical 21 "PA30" at 24.289,75.389 h0.2; Mechanical 21 "PB31" at 23.159,74.259 h0.2; Mechanical 21 "PB40" at 12.989,74.259 h0.2; Mechanical 21 "PA31" at 23.159,75.389 h0.2; Mechanical 21 "PB32" at 22.029,74.259 h0.2; Mechanical 21 "PA32" at 22.029,75.389 h0.2; Mechanical 21 "PB33" at 20.899,74.259 h0.2; Mechanical 21 "PA33" at 20.899,75.389 h0.2; Mechanical 21 "PB34" at 19.769,74.259 h0.2; Mechanical 21 "PA34" at 19.769,75.389 h0.2; Mechanical 21 "PB35" at 18.639,74.259 h0.2; Mechanical 21 "PA35" at 18.639,75.389 h0.2; Mechanical 21 "PB36" at 17.509,74.259 h0.2; Mechanical 21 "PA40" at 12.989,75.389 h0.2; Mechanical 21 "PAL41" at 11.859,41.569 h0.2; Mechanical 21 "PAL40" at 12.989,41.569 h0.2; Mechanical 21 "PAK40" at 12.989,42.699 h0.2; Mechanical 21 "PA41" at 11.859,75.389 h0.2; Mechanical 21 "PB41" at 11.859,74.259 h0.2; Mechanical 21 "PB42" at 10.729,74.259 h0.2; Mechanical 21 "PAK38" at 15.249,42.699 h0.2; Mechanical 21 "PA42" at 10.729,75.389 h0.2; Mechanical 21 "PD42" at 10.729,71.999 h0.2; Mechanical 21 "PE42" at 10.729,70.869 h0.2; Mechanical 21 "PE43" at 9.599,70.869 h0.2; Mechanical 21 "PG42" at 10.729,68.609 h0.2; Mechanical 21 "PG43" at 9.599,68.609 h0.2; Mechanical 21 "PH42" at 10.729,67.479 h0.2; Mechanical 21 "PAK39" at 14.119,42.699 h0.2; Mechanical 21 "PH43" at 9.599,67.479 h0.2; Mechanical 21 "PK42" at 10.729,65.219 h0.2; Mechanical 21 "PK43" at 9.599,65.219 h0.2; Mechanical 21 "PL42" at 10.729,64.089 h0.2; Mechanical 21 "PL43" at 9.599,64.089 h0.2; Mechanical 21 "PAL38" at 15.249,41.569 h0.2; Mechanical 21 "PM42" at 10.729,62.959 h0.2; Mechanical 21 "PM43" at 9.599,62.959 h0.2; Mechanical 21 "PN43" at 9.599,61.829 h0.2; Mechanical 21 "PP43" at 9.599,60.699 h0.2; Mechanical 21 "PR42" at 10.729,59.569 h0.2; Mechanical 21 "PR43" at 9.599,59.569 h0.2; Mechanical 21 "PAK20" at 35.589,42.699 h0.2; Mechanical 21 "PAK21" at 34.459,42.699 h0.2; Mechanical 21 "PAL25" at 29.939,41.569 h0.2; Mechanical 21 "PAL39" at 14.119,41.569 h0.2; Mechanical 21 "PAL20" at 35.589,41.569 h0.2; Mechanical 21 "PAK19" at 36.719,42.699 h0.2; Mechanical 21 "PAL21" at 34.459,41.569 h0.2; Mechanical 21 "PU42" at 10.729,57.309 h0.2; Mechanical 21 "PU43" at 9.599,57.309 h0.2; Mechanical 21 "PV42" at 10.729,56.179 h0.2; Mechanical 21 "PV43" at 9.599,56.179 h0.2; Mechanical 21 "PW42" at 10.729,55.049 h0.2; Mechanical 21 "PW43" at 9.599,55.049 h0.2; Mechanical 21 "PY42" at 10.729,53.919 h0.2; Mechanical 21 "PAK37" at 16.379,42.699 h0.2; Mechanical 21 "PY43" at 9.599,53.919 h0.2; Mechanical 21 "PAA42" at 10.729,52.869 h0.2; Mechanical 21 "PAA43" at 9.599,52.869 h0.2; Mechanical 21 "PAB42" at 10.729,51.739 h0.2; Mechanical 21 "PAB43" at 9.599,51.739 h0.2; Mechanical 21 "PAC43" at 9.599,50.609 h0.2; Mechanical 21 "PAK42" at 10.729,42.699 h0.2; Mechanical 21 "PAL42" at 10.729,41.569 h0.2; Mechanical 21 "PAK41" at 11.859,42.699 h0.2; Mechanical 21 "PAL37" at 16.379,41.569 h0.2; Mechanical 21 "PAC42" at 10.729,50.609 h0.2; Mechanical 21 "PAB2" at 55.929,51.659 h0.2; Mechanical 21 "PB43" at 9.599,74.259 h0.2; Mechanical 21 "PW2" at 55.929,54.969 h0.2; Mechanical 21 "PW1" at 57.059,54.969 h0.2; Mechanical 21 "PC43" at 9.599,73.129 h0.2; Mechanical 21 "PA43" at 9.599,75.389 h0.2; Mechanical 21 "PAD43" at 9.599,49.479 h0.2; Mechanical 21 "PAD42" at 10.729,49.479 h0.2; Mechanical 21 "PAF42" at 10.729,47.219 h0.2; Mechanical 21 "PAE42" at 10.729,48.349 h0.2; Mechanical 21 "PAL43" at 9.599,41.569 h0.2; Mechanical 21 "PAK43" at 9.599,42.699 h0.2; Mechanical 21 "PAJ43" at 9.599,43.829 h0.2; Mechanical 21 "PR2" at 55.929,59.489 h0.2; Mechanical 21 "PAJ42" at 10.729,43.829 h0.2; Mechanical 21 "PAH43" at 9.599,44.959 h0.2; Mechanical 21 "PAH42" at 10.729,44.959 h0.2; Mechanical 21 "PAG43" at 9.599,46.089 h0.2; Mechanical 21 "PAG42" at 10.729,46.089 h0.2; Mechanical 21 "PAA2" at 55.929,52.789 h0.2; Mechanical 21 "PAA1" at 57.059,52.789 h0.2; Mechanical 21 "PY2" at 55.929,53.839 h0.2; Mechanical 21 "PY1" at 57.059,53.839 h0.2; Mechanical 21 "PR1" at 57.059,59.489 h0.2; Mechanical 21 "PV1" at 57.059,56.099 h0.2; Mechanical 21 "PT1" at 57.059,58.359 h0.2; Mechanical 21 "PN2" at 55.929,61.749 h0.2; Mechanical 21 "PN1" at 57.059,61.749 h0.2; Mechanical 21 "PL1" at 57.059,64.009 h0.2; Mechanical 21 "PL2" at 55.929,64.009 h0.2; Mechanical 21 "PP1" at 57.059,60.619 h0.2; Mechanical 21 "PK1" at 57.059,65.139 h0.2; Mechanical 21 "PK2" at 55.929,65.139 h0.2; Mechanical 21 "PJ2" at 55.929,66.269 h0.2; Mechanical 21 "PG1" at 57.059,68.529 h0.2; Mechanical 21 "PH1" at 57.059,67.399 h0.2; Mechanical 21 "PJ1" at 57.059,66.269 h0.2; Mechanical 21 "PF1" at 57.059,69.659 h0.2; Mechanical 21 "PE2" at 55.929,70.789 h0.2; Mechanical 21 "PF2" at 55.929,69.659 h0.2; Mechanical 21 "PE1" at 57.059,70.789 h0.2; Mechanical 21 "PD1" at 57.059,71.919 h0.2; Mechanical 21 "PB21" at 34.459,74.259 h0.2; Mechanical 21 "PAB1" at 57.059,51.659 h0.2; Mechanical 21 "PC1" at 57.059,73.049 h0.2; Mechanical 21 "PAG1" at 57.059,46.009 h0.2; Mechanical 21 "PAK36" at 17.509,42.699 h0.2; Mechanical 21 "PAF2" at 55.929,47.139 h0.2; Mechanical 21 "PAL36" at 17.509,41.569 h0.2; Mechanical 21 "PAK35" at 18.639,42.699 h0.2; Mechanical 21 "PAL35" at 18.639,41.569 h0.2; Mechanical 21 "PAK34" at 19.769,42.699 h0.2; Mechanical 21 "PAL34" at 19.769,41.569 h0.2; Mechanical 21 "PAK33" at 20.899,42.699 h0.2; Mechanical 21 "PAL33" at 20.899,41.569 h0.2; Mechanical 21 "PAK15" at 41.239,42.699 h0.2; Mechanical 21 "PAL15" at 41.239,41.569 h0.2; Mechanical 21 "PAK14" at 42.369,42.699 h0.2; Mechanical 21 "PAF1" at 57.059,47.139 h0.2; Mechanical 21 "PAL14" at 42.369,41.569 h0.2; Mechanical 21 "PAK13" at 43.499,42.699 h0.2; Mechanical 21 "PAL13" at 43.499,41.569 h0.2; Mechanical 21 "PAK12" at 44.629,42.699 h0.2; Mechanical 21 "PAL12" at 44.629,41.569 h0.2; Mechanical 21 "PAK30" at 24.289,42.699 h0.2; Mechanical 21 "PAL30" at 24.289,41.569 h0.2; Mechanical 21 "PAK29" at 25.419,42.699 h0.2; Mechanical 21 "PAL29" at 25.419,41.569 h0.2; Mechanical 21 "PAK28" at 26.549,42.699 h0.2; Mechanical 21 "PAE2" at 55.929,48.269 h0.2; Mechanical 21 "PAL28" at 26.549,41.569 h0.2; Mechanical 21 "PAK32" at 22.029,42.699 h0.2; Mechanical 21 "PAL32" at 22.029,41.569 h0.2; Mechanical 21 "PAK31" at 23.159,42.699 h0.2; Mechanical 21 "PAL31" at 23.159,41.569 h0.2; Mechanical 21 "PAK27" at 27.679,42.699 h0.2; Mechanical 21 "PAL27" at 27.679,41.569 h0.2; Mechanical 21 "PAK26" at 28.809,42.699 h0.2; Mechanical 21 "PAL26" at 28.809,41.569 h0.2; Mechanical 21 "PAK25" at 29.939,42.699 h0.2; Mechanical 21 "PAE1" at 57.059,48.269 h0.2; Mechanical 21 "PAL19" at 36.719,41.569 h0.2; Mechanical 21 "PAK24" at 31.069,42.699 h0.2; Mechanical 21 "PAL24" at 31.069,41.569 h0.2; Mechanical 21 "PAK23" at 32.199,42.699 h0.2; Mechanical 21 "PAL23" at 32.199,41.569 h0.2; Mechanical 21 "PAK22" at 33.329,42.699 h0.2; Mechanical 21 "PAL22" at 33.329,41.569 h0.2; Mechanical 21 "PAK18" at 37.849,42.699 h0.2; Mechanical 21 "PAL18" at 37.849,41.569 h0.2; Mechanical 21 "PAK17" at 38.979,42.699 h0.2; Mechanical 21 "PAD2" at 55.929,49.399 h0.2; Mechanical 21 "PAL17" at 38.979,41.569 h0.2; Mechanical 21 "PAK16" at 40.109,42.699 h0.2; Mechanical 21 "PAL16" at 40.109,41.569 h0.2; Mechanical 21 "PAK11" at 45.759,42.699 h0.2; Mechanical 21 "PAL11" at 45.759,41.569 h0.2; Mechanical 21 "PAK10" at 46.889,42.699 h0.2; Mechanical 21 "PAL10" at 46.889,41.569 h0.2; Mechanical 21 "PAK9" at 48.019,42.619 h0.2; Mechanical 21 "PAL9" at 48.019,41.489 h0.2; Mechanical 21 "PAK8" at 49.149,42.619 h0.2; Mechanical 21 "PAD1" at 57.059,49.399 h0.2; Mechanical 21 "PAL8" at 49.149,41.489 h0.2; Mechanical 21 "PAK7" at 50.279,42.619 h0.2; Mechanical 21 "PAL7" at 50.279,41.489 h0.2; Mechanical 21 "PAK6" at 51.409,42.619 h0.2; Mechanical 21 "PAL6" at 51.409,41.489 h0.2; Mechanical 21 "PAK5" at 52.539,42.619 h0.2; Mechanical 21 "PAL5" at 52.539,41.489 h0.2; Mechanical 21 "PAK4" at 53.669,42.619 h0.2; Mechanical 21 "PAL4" at 53.669,41.489 h0.2; Mechanical 21 "PAK3" at 54.799,42.619 h0.2; Mechanical 21 "PAC2" at 55.929,50.529 h0.2; Mechanical 21 "PAL3" at 54.799,41.489 h0.2; Mechanical 21 "PAK2" at 55.929,42.619 h0.2; Mechanical 21 "PAL2" at 55.929,41.489 h0.2; Mechanical 21 "PAK1" at 57.059,42.619 h0.2; Mechanical 21 "PAL1" at 57.059,41.489 h0.2; Mechanical 21 "PAJ2" at 55.929,43.749 h0.2; Mechanical 21 "PAJ1" at 57.059,43.749 h0.2; Mechanical 21 "PAH2" at 55.929,44.879 h0.2; Mechanical 21 "PAH1" at 57.059,44.879 h0.2; Mechanical 21 "PAG2" at 55.929,46.009 h0.2; Mechanical 21 "PAC1" at 57.059,50.529 h0.2; Mechanical 21 "PAF43" at 9.599,47.219 h0.2; Mechanical 21 "PC42" at 10.729,73.129 h0.2; Mechanical 21 "PD43" at 9.599,71.999 h0.2; Mechanical 21 "PT43" at 9.599,58.439 h0.2; Mechanical 21 "PF42" at 10.729,69.739 h0.2; Mechanical 21 "PAE43" at 9.599,48.349 h0.2; Mechanical 21 "PT42" at 10.729,58.439 h0.2; Mechanical 21 "PP42" at 10.729,60.699 h0.2; Mechanical 21 "PJ42" at 10.729,66.349 h0.2; Mechanical 21 "PT2" at 55.929,58.359 h0.2; Mechanical 21 "PJ43" at 9.599,66.349 h0.2; Mechanical 21 "PN42" at 10.729,61.829 h0.2; Mechanical 21 "PU1" at 57.059,57.229 h0.2; Mechanical 21 "PM2" at 55.929,62.879 h0.2; Mechanical 21 "PM1" at 57.059,62.879 h0.2; Mechanical 21 "PF43" at 9.599,69.739 h0.2; Mechanical 21 "YIC1604N03" at 13.979,46.269 h0.7; Mechanical 21 "49.0000" at 33.329,79.301 h0.7; Mechanical 21 "36.0000" at 61.622,59.629 h0.7; Mechanical 21 "1.1300" at 5.509,76.921 h0.7; Mechanical 21 "1.1300" at 6.169,72.039 h0.7; Mechanical 21 "dia 0.6500" at 52.017,79.233 h0.7; Mechanical 20 "ARTIK710" at 35.329,45.039 h0.6; Mechanical 20 "2016.04.22" at 34.879,43.819 h0.6; Mechanical 20 "REV0.2" at 35.729,43.709 h0.6; Mechanical 18 "2016.04.22" at 34.879,43.819 h0.6; Mechanical 18 "REV0.2" at 35.729,43.709 h0.6; Mechanical 18 "ARTIK710" at 35.329,45.039 h0.6